# Altium PCB STM32F207VC.PcbDoc (part 16 of 16)
Units mm, origin at the board's own origin, x right, y up, seen from the top; angles counter-clockwise.
Board outline 99.19 x 99.95 mm, 2 copper layers (Top Layer, Bottom Layer); 127 components, 125 nets, 570 pads, 172 vias.
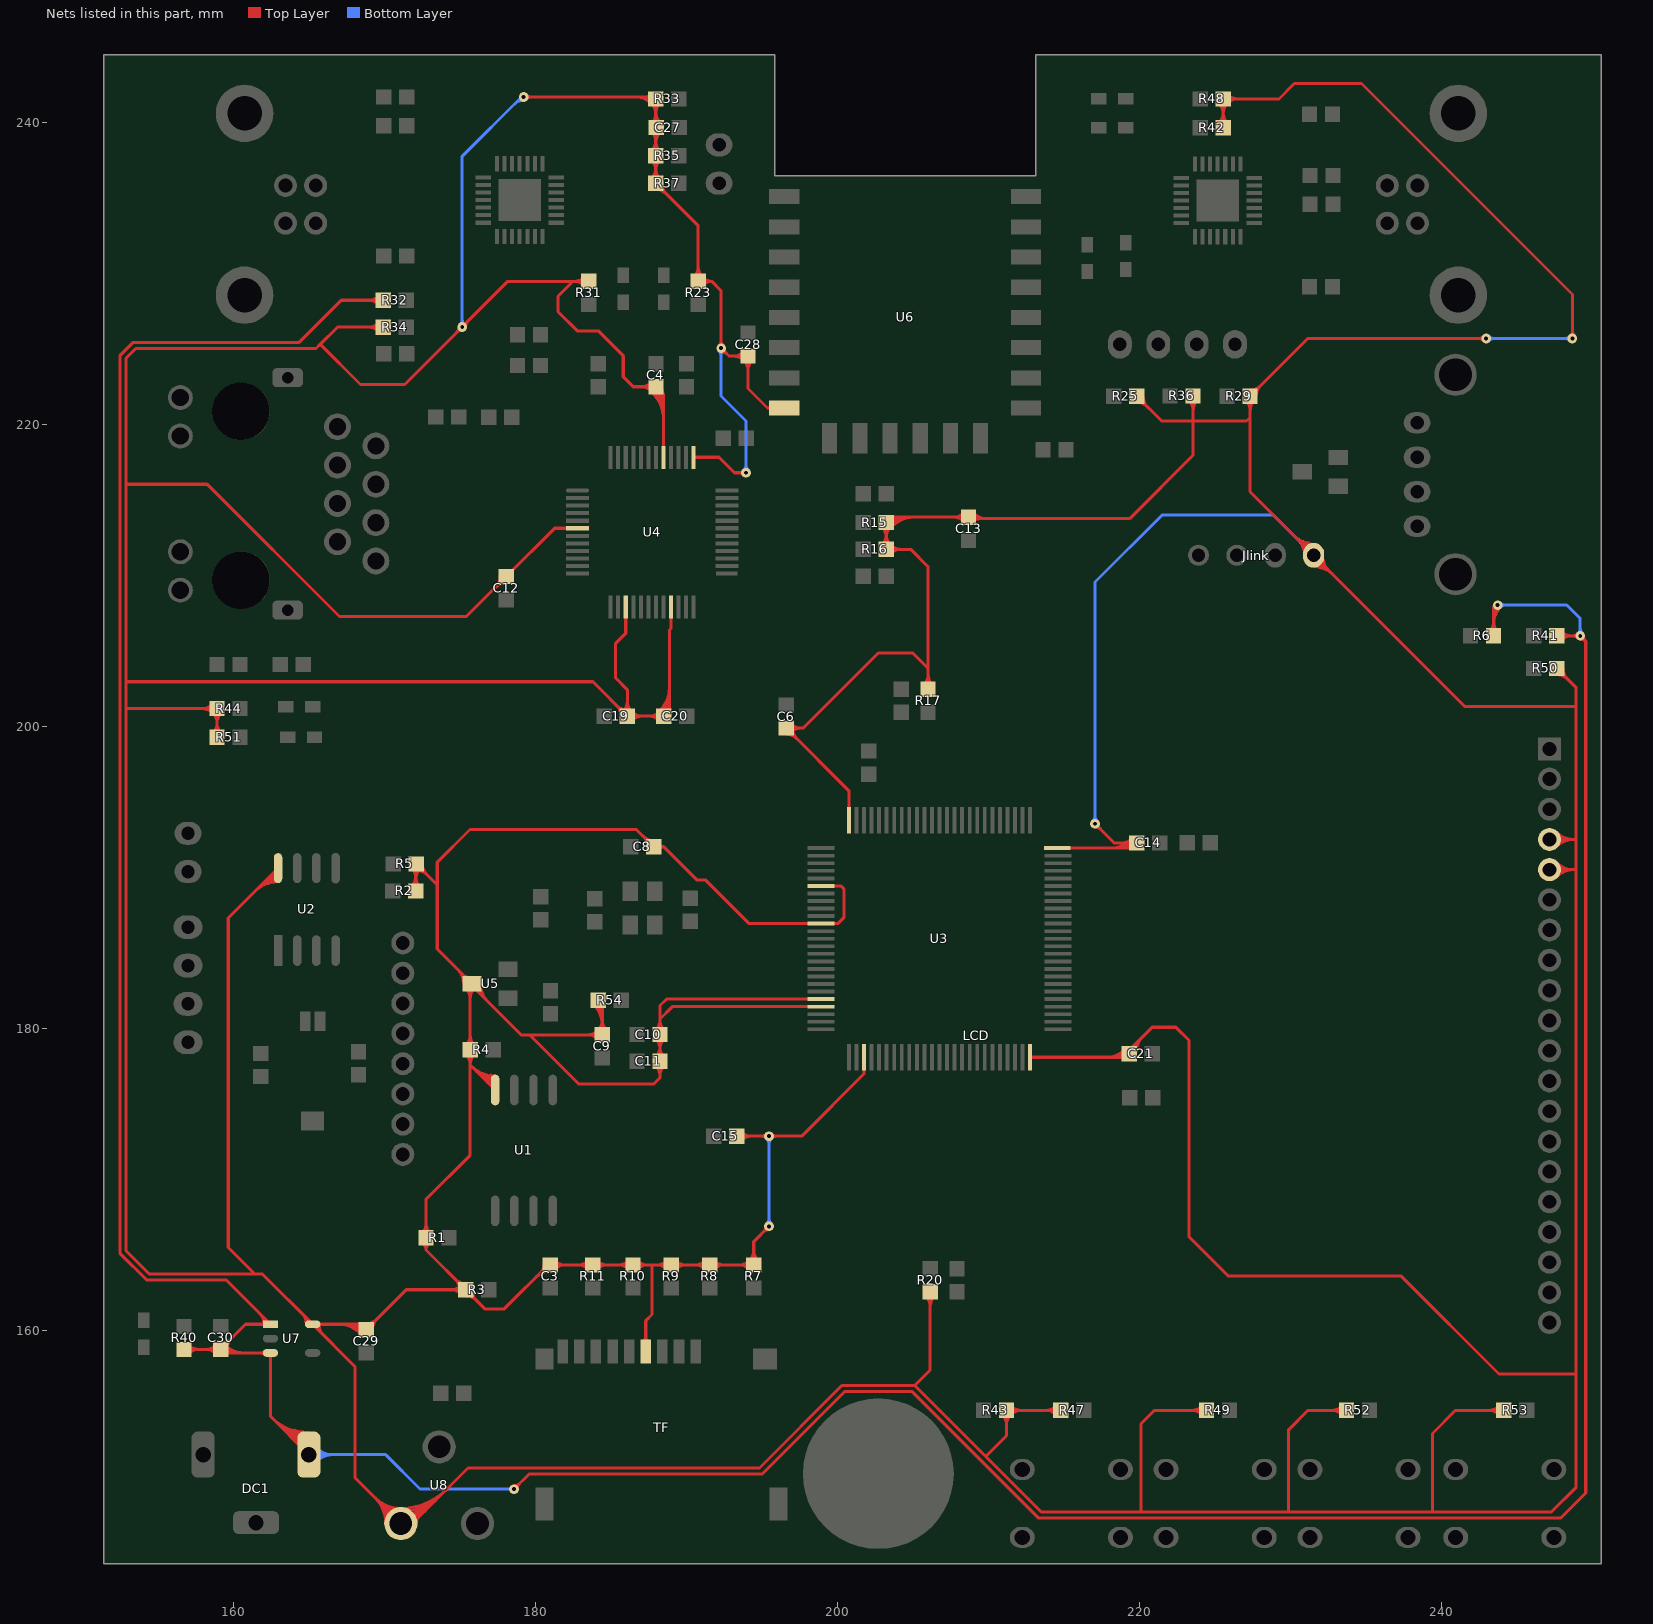
[diagram p16: the nets of this part, all layers, seen from the top]

## Via types
v1: diameter 0.635, hole 0.254, Top Layer to Bottom Layer, tented both sides, 152 vias
v2: diameter 0.635, hole 0.406, Top Layer to Bottom Layer, 18 vias
v3: diameter 1, hole 1, Top Layer to Bottom Layer, 2 vias

## Nets (pads, with @x,y where several pads share a name; then routed paths per layer and width w, separated by ;. In a path a pad name is that pad's centre, name@x,y a point inside that pad or via, vN(x,y) a via of type N, cw(c..) or ccw(c..) an arc to the next point about the centre after c; other vN are vias at no path point) (continued)
VCC3.3: (continued)
  Top Layer w0.203: R29.2@227.313,221.863 cw(c228.008,221.721) 227.825,222.407 ; R29.2@227.313,221.863 ccw(c227.17,222.559) 227.856,222.375 ; R29.2@227.313,221.863 ccw(c227.17,222.559) 227.856,222.375 ; R29.2@227.313,221.863 cw(c228.008,221.721) 227.825,222.407 ; R29.2@227.313,221.863 ccw(c227.17,222.559) 227.856,222.375 ; R29.2@227.313,221.863 ccw(c227.17,222.559) 227.856,222.375 ; R29.2@227.313,221.863 ccw(c227.17,222.559) 227.856,222.375 ; R29.2@227.313,221.863 ccw(c227.17,222.559) 227.856,222.375 ; R29.2@227.313,221.863 cw(c228.008,221.721) 227.825,222.407 ; R29.2@227.313,221.863 cw(c228.008,221.721) 227.825,222.407 ; R29.2@227.313,221.863 cw(c228.008,221.721) 227.825,222.407 ; R29.2@227.313,222.269 ccw(c227.313,223.251) 228.006,222.557 ; R29.2@227.313,222.269 ccw(c227.313,223.251) 228.006,222.557 ; R29.2@227.313,222.269 ccw(c227.313,223.251) 228.006,222.557 ; R29.2@227.313,222.269 ccw(c227.313,223.251) 228.006,222.557 ; R29.2@227.719,221.863 cw(c228.7,221.863) 228.006,222.557 ; R29.2@227.719,221.863 cw(c228.7,221.863) 228.006,222.557 ; R29.2@227.719,221.863 cw(c228.7,221.863) 228.006,222.557 ; R29.2@227.719,221.863 cw(c228.7,221.863) 228.006,222.557 ; 229.87,147.955 239.395,147.955 ; 230.285,212.564 ccw(c231.521,213.8) Jlink.1@231.521,212.052 ; 230.285,212.564 ccw(c231.521,213.8) Jlink.1@231.521,212.052 ; 230.285,212.564 ccw(c231.521,213.8) Jlink.1@231.521,212.052 ; 230.285,212.564 ccw(c231.521,213.8) Jlink.1@231.521,212.052 ; 230.592,212.257 cw(c229.79,211.455) Jlink.1@230.924,211.455 ; 230.592,212.257 cw(c229.79,211.455) Jlink.1@230.924,211.455 ; 230.592,212.257 cw(c229.79,211.455) Jlink.1@230.924,211.455 ; 230.592,212.257 cw(c229.79,211.455) Jlink.1@230.924,211.455 ; 230.632,212.217 ccw(c231.521,213.106) Jlink.1@231.521,211.849 ; 230.632,212.217 ccw(c231.521,213.106) Jlink.1@231.521,211.849 ; 230.632,212.217 ccw(c231.521,213.106) Jlink.1@231.521,211.849 ; 230.632,212.217 ccw(c231.521,213.106) Jlink.1@231.521,211.849 ; 230.715,212.268 cw(c230.415,211.146) Jlink.1@231.533,211.458 ; 230.715,212.268 cw(c230.415,211.146) Jlink.1@231.533,211.458 ; 230.715,212.268 cw(c230.415,211.146) Jlink.1@231.533,211.458 ; 230.715,212.268 cw(c230.415,211.146) Jlink.1@231.533,211.458 ; 230.715,212.268 cw(c230.415,211.146) Jlink.1@231.533,211.458 ; 230.748,212.114 ccw(c231.631,212.35) Jlink.1@231.519,211.442 ; 230.748,212.114 ccw(c231.631,212.35) Jlink.1@231.519,211.442 ; 230.748,212.114 ccw(c231.631,212.35) Jlink.1@231.519,211.442 ; 230.748,212.114 ccw(c231.631,212.35) Jlink.1@231.519,211.442 ; 230.748,212.114 ccw(c231.631,212.35) Jlink.1@231.519,211.442 ; 230.823,212.036 cw(c230.645,211.369) Jlink.1@231.331,211.436 ; 230.823,212.036 cw(c230.645,211.369) Jlink.1@231.331,211.436 ; 230.823,212.036 cw(c230.645,211.369) Jlink.1@231.331,211.436 ; 230.823,212.036 cw(c230.645,211.369) Jlink.1@231.331,211.436 ; 230.823,212.036 cw(c230.645,211.369) Jlink.1@231.331,211.436 ; 230.823,212.036 cw(c230.645,211.369) Jlink.1@231.331,211.436 ; 230.826,211.822 ccw(c231.591,212.028) Jlink.1@231.495,211.241 ; 230.826,211.822 ccw(c231.591,212.028) Jlink.1@231.495,211.241 ; 230.826,211.822 ccw(c231.591,212.028) Jlink.1@231.495,211.241 ; 230.826,211.822 ccw(c231.591,212.028) Jlink.1@231.495,211.241 ; 230.826,211.822 ccw(c231.591,212.028) Jlink.1@231.495,211.241 ; 230.939,211.91 cw(c230.483,211.455) Jlink.1@231.127,211.455 ; 230.939,211.91 cw(c230.483,211.455) Jlink.1@231.127,211.455 ; 230.939,211.91 cw(c230.483,211.455) Jlink.1@231.127,211.455 ; 230.939,211.91 cw(c230.483,211.455) Jlink.1@231.127,211.455 ; 231.059,212.176 cw(c230.813,211.257) Jlink.1@231.729,211.513 ; 231.059,212.176 cw(c230.813,211.257) Jlink.1@231.729,211.513 ; 231.059,212.176 cw(c230.813,211.257) Jlink.1@231.729,211.513 ; 231.059,212.176 cw(c230.813,211.257) Jlink.1@231.729,211.513 ; 231.059,212.176 cw(c230.813,211.257) Jlink.1@231.729,211.513 ; Jlink.1@231.313,211.143 ccw(c232.229,211.399) 231.983,210.48 ; Jlink.1@231.313,211.143 ccw(c232.229,211.399) 231.983,210.48 ; Jlink.1@231.313,211.143 ccw(c232.229,211.399) 231.983,210.48 ; Jlink.1@231.313,211.143 ccw(c232.229,211.399) 231.983,210.48 ; Jlink.1@231.313,211.143 ccw(c232.229,211.399) 231.983,210.48 ; Jlink.1@231.509,211.198 ccw(c232.627,211.51) 232.327,210.388 ; Jlink.1@231.509,211.198 ccw(c232.627,211.51) 232.327,210.388 ; Jlink.1@231.509,211.198 ccw(c232.627,211.51) 232.327,210.388 ; Jlink.1@231.509,211.198 ccw(c232.627,211.51) 232.327,210.388 ; Jlink.1@231.509,211.198 ccw(c232.627,211.51) 232.327,210.388 ; Jlink.1@231.521,210.604 cw(c231.521,208.856) 232.757,210.092 ; Jlink.1@231.521,210.604 cw(c231.521,208.856) 232.757,210.092 ; Jlink.1@231.521,210.604 cw(c231.521,208.856) 232.757,210.092 ; Jlink.1@231.521,210.604 cw(c231.521,208.856) 232.757,210.092 ; Jlink.1@231.521,210.807 cw(c231.521,209.55) 232.41,210.439 ; Jlink.1@231.521,210.807 cw(c231.521,209.55) 232.41,210.439 ; Jlink.1@231.521,210.807 cw(c231.521,209.55) 232.41,210.439 ; Jlink.1@231.521,210.807 cw(c231.521,209.55) 232.41,210.439 ; Jlink.1@231.523,211.214 cw(c231.411,210.306) 232.294,210.542 ; Jlink.1@231.523,211.214 cw(c231.411,210.306) 232.294,210.542 ; Jlink.1@231.523,211.214 cw(c231.411,210.306) 232.294,210.542 ; Jlink.1@231.523,211.214 cw(c231.411,210.306) 232.294,210.542 ; Jlink.1@231.523,211.214 cw(c231.411,210.306) 232.294,210.542 ; Jlink.1@231.547,211.415 cw(c231.451,210.628) 232.216,210.834 ; Jlink.1@231.547,211.415 cw(c231.451,210.628) 232.216,210.834 ; Jlink.1@231.547,211.415 cw(c231.451,210.628) 232.216,210.834 ; Jlink.1@231.547,211.415 cw(c231.451,210.628) 232.216,210.834 ; Jlink.1@231.547,211.415 cw(c231.451,210.628) 232.216,210.834 ; Jlink.1@231.711,211.22 ccw(c232.397,211.287) 232.219,210.62 ; Jlink.1@231.711,211.22 ccw(c232.397,211.287) 232.219,210.62 ; Jlink.1@231.711,211.22 ccw(c232.397,211.287) 232.219,210.62 ; Jlink.1@231.711,211.22 ccw(c232.397,211.287) 232.219,210.62 ; Jlink.1@231.711,211.22 ccw(c232.397,211.287) 232.219,210.62 ; Jlink.1@231.711,211.22 ccw(c232.397,211.287) 232.219,210.62 ; Jlink.1@231.915,211.201 ccw(c232.559,211.201) 232.103,210.746 ; Jlink.1@231.915,211.201 ccw(c232.559,211.201) 232.103,210.746 ; Jlink.1@231.915,211.201 ccw(c232.559,211.201) 232.103,210.746 ; Jlink.1@231.915,211.201 ccw(c232.559,211.201) 232.103,210.746 ; Jlink.1@232.118,211.201 ccw(c233.252,211.201) 232.45,210.399 ; Jlink.1@232.118,211.201 ccw(c233.252,211.201) 232.45,210.399 ; Jlink.1@232.118,211.201 ccw(c233.252,211.201) 232.45,210.399 ; Jlink.1@232.118,211.201 ccw(c233.252,211.201) 232.45,210.399 ; 232.716,154.692 cw(c232.716,153.711) R52.2@233.41,154.405 ; 232.716,154.692 ccw(c232.716,155.673) R52.2@233.41,154.979 ; 232.716,154.692 cw(c232.716,153.711) R52.2@233.41,154.405 ; 232.716,154.692 ccw(c232.716,155.673) R52.2@233.41,154.979 ; 232.716,154.692 ccw(c232.716,155.673) R52.2@233.41,154.979 ; 232.716,154.692 cw(c232.716,153.711) R52.2@233.41,154.405 ; 232.716,154.692 ccw(c232.716,155.673) R52.2@233.41,154.979 ; 232.716,154.692 cw(c232.716,153.711) R52.2@233.41,154.405 ; 239.395,147.955 247.262,147.955 248.913,149.606 248.913,157.099 ; 242.43,225.679 cw(c242.43,225.158) v1@242.798,225.526 ; 242.43,225.679 ccw(c242.43,226.2) v1@242.798,225.832 ; 242.43,225.679 cw(c242.43,225.158) v1@242.798,225.526 ; 242.43,225.679 ccw(c242.43,226.2) v1@242.798,225.832 ; 242.43,225.679 ccw(c242.43,226.2) v1@242.798,225.832 ; 242.43,225.679 cw(c242.43,225.158) v1@242.798,225.526 ; 242.43,225.679 ccw(c242.43,226.2) v1@242.798,225.832 ; 242.43,225.679 cw(c242.43,225.158) v1@242.798,225.526 ; 243.13,154.692 cw(c243.13,153.711) R53.2@243.824,154.405 ; 243.13,154.692 ccw(c243.13,155.673) R53.2@243.824,154.979 ; 243.13,154.692 cw(c243.13,153.711) R53.2@243.824,154.405 ; 243.13,154.692 ccw(c243.13,155.673) R53.2@243.824,154.979 ; 243.13,154.692 ccw(c243.13,155.673) R53.2@243.824,154.979 ; 243.13,154.692 cw(c243.13,153.711) R53.2@243.824,154.405 ; 243.13,154.692 ccw(c243.13,155.673) R53.2@243.824,154.979 ; 243.13,154.692 cw(c243.13,153.711) R53.2@243.824,154.405 ; LCD.5@247.47,190.179 cw(c248.251,189.399) 248.251,190.503 ; LCD.5@247.47,190.179 cw(c248.251,189.399) 248.251,190.503 ; LCD.5@247.47,190.179 cw(c248.251,189.399) 248.251,190.503 ; LCD.5@247.47,190.179 cw(c248.251,189.399) 248.251,190.503 ; LCD.5@247.47,190.826 ccw(c248.251,191.606) 248.251,190.503 ; LCD.5@247.47,190.826 ccw(c248.251,191.606) 248.251,190.503 ; LCD.5@247.47,190.826 ccw(c248.251,191.606) 248.251,190.503 ; LCD.5@247.47,190.826 ccw(c248.251,191.606) 248.251,190.503 ; LCD.4@247.47,192.181 cw(c248.251,191.4) 248.251,192.504 ; LCD.4@247.47,192.181 cw(c248.251,191.4) 248.251,192.504 ; LCD.4@247.47,192.181 cw(c248.251,191.4) 248.251,192.504 ; LCD.4@247.47,192.181 cw(c248.251,191.4) 248.251,192.504 ; LCD.4@247.47,192.827 ccw(c248.251,193.608) 248.251,192.504 ; LCD.4@247.47,192.827 ccw(c248.251,193.608) 248.251,192.504 ; LCD.4@247.47,192.827 ccw(c248.251,193.608) 248.251,192.504 ; LCD.4@247.47,192.827 ccw(c248.251,193.608) 248.251,192.504 ; LCD.5@247.614,190.036 cw(c248.741,188.908) 248.741,190.503 ; LCD.5@247.614,190.036 cw(c248.741,188.908) 248.741,190.503 ; LCD.5@247.614,190.036 cw(c248.741,188.908) 248.741,190.503 ; LCD.5@247.614,190.036 cw(c248.741,188.908) 248.741,190.503 ; LCD.5@247.614,190.97 ccw(c248.741,192.097) 248.741,190.503 ; LCD.5@247.614,190.97 ccw(c248.741,192.097) 248.741,190.503 ; LCD.5@247.614,190.97 ccw(c248.741,192.097) 248.741,190.503 ; LCD.5@247.614,190.97 ccw(c248.741,192.097) 248.741,190.503 ; LCD.4@247.614,192.037 cw(c248.741,190.91) 248.741,192.504 ; LCD.4@247.614,192.037 cw(c248.741,190.91) 248.741,192.504 ; LCD.4@247.614,192.037 cw(c248.741,190.91) 248.741,192.504 ; LCD.4@247.614,192.037 cw(c248.741,190.91) 248.741,192.504 ; LCD.4@247.614,192.971 ccw(c248.741,194.098) 248.741,192.504 ; LCD.4@247.614,192.971 ccw(c248.741,194.098) 248.741,192.504 ; LCD.4@247.614,192.971 ccw(c248.741,194.098) 248.741,192.504 ; LCD.4@247.614,192.971 ccw(c248.741,194.098) 248.741,192.504 ; R50.2@247.633,203.423 cw(c247.633,202.442) 248.326,203.135 ; R50.2@247.633,203.423 cw(c247.633,202.442) 248.326,203.135 ; R50.2@247.633,203.423 cw(c247.633,202.442) 248.326,203.135 ; R50.2@247.633,203.423 cw(c247.633,202.442) 248.326,203.135 ; R50.2@247.633,203.829 ccw(c248.328,203.972) 248.145,203.285 ; R50.2@247.633,203.829 ccw(c248.328,203.972) 248.145,203.285 ; R50.2@247.633,203.829 cw(c247.49,203.133) 248.176,203.317 ; R50.2@247.633,203.829 cw(c247.49,203.133) 248.176,203.317 ; R50.2@247.633,203.829 ccw(c248.328,203.972) 248.145,203.285 ; R50.2@247.633,203.829 cw(c247.49,203.133) 248.176,203.317 ; R50.2@247.633,203.829 cw(c247.49,203.133) 248.176,203.317 ; R50.2@247.633,203.829 cw(c247.49,203.133) 248.176,203.317 ; R50.2@247.633,203.829 cw(c247.49,203.133) 248.176,203.317 ; R50.2@247.633,203.829 ccw(c248.328,203.972) 248.145,203.285 ; R50.2@247.633,203.829 ccw(c248.328,203.972) 248.145,203.285 ; R50.2@247.633,203.829 ccw(c248.328,203.972) 248.145,203.285 ; R50.2@247.633,203.829 248.913,202.548 248.913,201.295 ; R50.2@248.039,203.829 ccw(c249.02,203.829) 248.326,203.135 ; R50.2@248.039,203.829 ccw(c249.02,203.829) 248.326,203.135 ; R50.2@248.039,203.829 ccw(c249.02,203.829) 248.326,203.135 ; R50.2@248.039,203.829 ccw(c249.02,203.829) 248.326,203.135 ; v1@248.513,225.832 ccw(c248.145,226.2) 248.666,226.2 ; v1@248.513,225.832 ccw(c248.145,226.2) 248.666,226.2 ; v1@248.513,225.832 ccw(c248.145,226.2) 248.666,226.2 ; v1@248.513,225.832 ccw(c248.145,226.2) 248.666,226.2 ; 248.666,226.2 ccw(c249.187,226.2) v1@248.819,225.832 ; 248.666,226.2 ccw(c249.187,226.2) v1@248.819,225.832 ; 248.666,226.2 ccw(c249.187,226.2) v1@248.819,225.832 ; 248.666,226.2 ccw(c249.187,226.2) v1@248.819,225.832 ; 248.913,157.099 248.913,201.295 ; 162.408,189.648 cw(c162.703,189.32) 162.87,189.729 ccw(c162.703,189.32) 162.408,189.648 ; 162.649,189.865 cw(c162.839,189.653) 162.947,189.917 ccw(c162.839,189.653) 162.649,189.865 ; 176.787,176.887 ccw(c177.078,177.214) 177.247,176.81 cw(c177.078,177.214) 176.787,176.887 ; 177.028,176.672 ccw(c177.216,176.884) 177.326,176.622 cw(c177.216,176.884) 177.028,176.672
  Bottom Layer w0.203: v1(175.133,226.441) 175.133,237.744 179.064,241.675 v1(179.203,241.675) ; v1(192.278,225.044) 192.278,221.869 193.929,220.218 v1(193.929,216.789) ; v1(195.453,166.878) v1(195.453,172.853) ; v1(217.043,193.548) 217.043,209.55 221.488,213.995 228.854,213.995 Jlink.1@231.521,211.328 ; v1(242.951,225.679) v1(248.666,225.679) ; v1@174.98,226.594 ccw(c174.612,226.962) 175.133,226.962 ; v1@174.98,226.594 ccw(c174.612,226.962) 175.133,226.962 ; v1@174.98,226.594 ccw(c174.612,226.962) 175.133,226.962 ; v1@174.98,226.594 ccw(c174.612,226.962) 175.133,226.962 ; 175.133,226.962 ccw(c175.654,226.962) v1@175.286,226.594 ; 175.133,226.962 ccw(c175.654,226.962) v1@175.286,226.594 ; 175.133,226.962 ccw(c175.654,226.962) v1@175.286,226.594 ; 175.133,226.962 ccw(c175.654,226.962) v1@175.286,226.594 ; 178.597,241.208 cw(c179.203,240.603) v1@179.203,241.459 ; 178.597,241.208 cw(c179.203,240.603) v1@179.203,241.459 ; 178.597,241.208 cw(c179.203,240.603) v1@179.203,241.459 ; 178.597,241.208 cw(c179.203,240.603) v1@179.203,241.459 ; v1@192.125,224.891 cw(c191.757,224.523) 192.278,224.523 ; v1@192.125,224.891 cw(c191.757,224.523) 192.278,224.523 ; v1@192.125,224.891 cw(c191.757,224.523) 192.278,224.523 ; v1@192.125,224.891 cw(c191.757,224.523) 192.278,224.523 ; 192.278,224.523 cw(c192.799,224.523) v1@192.431,224.891 ; 192.278,224.523 cw(c192.799,224.523) v1@192.431,224.891 ; 192.278,224.523 cw(c192.799,224.523) v1@192.431,224.891 ; 192.278,224.523 cw(c192.799,224.523) v1@192.431,224.891 ; v1@193.776,216.942 ccw(c193.408,217.31) 193.929,217.31 ; v1@193.776,216.942 ccw(c193.408,217.31) 193.929,217.31 ; v1@193.776,216.942 ccw(c193.408,217.31) 193.929,217.31 ; v1@193.776,216.942 ccw(c193.408,217.31) 193.929,217.31 ; 193.929,217.31 ccw(c194.45,217.31) v1@194.082,216.942 ; 193.929,217.31 ccw(c194.45,217.31) v1@194.082,216.942 ; 193.929,217.31 ccw(c194.45,217.31) v1@194.082,216.942 ; 193.929,217.31 ccw(c194.45,217.31) v1@194.082,216.942 ; v1@195.3,167.031 ccw(c194.932,167.399) 195.453,167.399 ; v1@195.3,167.031 ccw(c194.932,167.399) 195.453,167.399 ; v1@195.3,167.031 ccw(c194.932,167.399) 195.453,167.399 ; v1@195.3,167.031 ccw(c194.932,167.399) 195.453,167.399 ; v1@195.3,172.7 cw(c194.932,172.332) 195.453,172.332 ; v1@195.3,172.7 cw(c194.932,172.332) 195.453,172.332 ; v1@195.3,172.7 cw(c194.932,172.332) 195.453,172.332 ; v1@195.3,172.7 cw(c194.932,172.332) 195.453,172.332 ; 195.453,167.399 ccw(c195.974,167.399) v1@195.606,167.031 ; 195.453,167.399 ccw(c195.974,167.399) v1@195.606,167.031 ; 195.453,167.399 ccw(c195.974,167.399) v1@195.606,167.031 ; 195.453,167.399 ccw(c195.974,167.399) v1@195.606,167.031 ; 195.453,172.332 cw(c195.974,172.332) v1@195.606,172.7 ; 195.453,172.332 cw(c195.974,172.332) v1@195.606,172.7 ; 195.453,172.332 cw(c195.974,172.332) v1@195.606,172.7 ; 195.453,172.332 cw(c195.974,172.332) v1@195.606,172.7 ; v1@216.89,193.701 ccw(c216.522,194.069) 217.043,194.069 ; v1@216.89,193.701 ccw(c216.522,194.069) 217.043,194.069 ; v1@216.89,193.701 ccw(c216.522,194.069) 217.043,194.069 ; v1@216.89,193.701 ccw(c216.522,194.069) 217.043,194.069 ; 217.043,194.069 ccw(c217.564,194.069) v1@217.196,193.701 ; 217.043,194.069 ccw(c217.564,194.069) v1@217.196,193.701 ; 217.043,194.069 ccw(c217.564,194.069) v1@217.196,193.701 ; 217.043,194.069 ccw(c217.564,194.069) v1@217.196,193.701 ; 230.285,212.564 ccw(c231.521,213.8) Jlink.1@231.521,212.052 ; 230.285,212.564 ccw(c231.521,213.8) Jlink.1@231.521,212.052 ; 230.285,212.564 ccw(c231.521,213.8) Jlink.1@231.521,212.052 ; 230.285,212.564 ccw(c231.521,213.8) Jlink.1@231.521,212.052 ; 230.592,212.257 cw(c229.79,211.455) Jlink.1@230.924,211.455 ; 230.592,212.257 cw(c229.79,211.455) Jlink.1@230.924,211.455 ; 230.592,212.257 cw(c229.79,211.455) Jlink.1@230.924,211.455 ; 230.592,212.257 cw(c229.79,211.455) Jlink.1@230.924,211.455 ; 230.632,212.217 ccw(c231.521,213.106) Jlink.1@231.521,211.849 ; 230.632,212.217 ccw(c231.521,213.106) Jlink.1@231.521,211.849 ; 230.632,212.217 ccw(c231.521,213.106) Jlink.1@231.521,211.849 ; 230.632,212.217 ccw(c231.521,213.106) Jlink.1@231.521,211.849 ; 230.939,211.91 cw(c230.483,211.455) Jlink.1@231.127,211.455 ; 230.939,211.91 cw(c230.483,211.455) Jlink.1@231.127,211.455 ; 230.939,211.91 cw(c230.483,211.455) Jlink.1@231.127,211.455 ; 230.939,211.91 cw(c230.483,211.455) Jlink.1@231.127,211.455 ; v1@243.104,225.526 cw(c243.472,225.158) 243.472,225.679 ; v1@243.104,225.526 cw(c243.472,225.158) 243.472,225.679 ; v1@243.104,225.526 cw(c243.472,225.158) 243.472,225.679 ; v1@243.104,225.526 cw(c243.472,225.158) 243.472,225.679 ; v1@243.104,225.832 ccw(c243.472,226.2) 243.472,225.679 ; v1@243.104,225.832 ccw(c243.472,226.2) 243.472,225.679 ; v1@243.104,225.832 ccw(c243.472,226.2) 243.472,225.679 ; v1@243.104,225.832 ccw(c243.472,226.2) 243.472,225.679 ; 248.145,225.679 cw(c248.145,225.158) v1@248.513,225.526 ; 248.145,225.679 ccw(c248.145,226.2) v1@248.513,225.832 ; 248.145,225.679 cw(c248.145,225.158) v1@248.513,225.526 ; 248.145,225.679 ccw(c248.145,226.2) v1@248.513,225.832 ; 248.145,225.679 ccw(c248.145,226.2) v1@248.513,225.832 ; 248.145,225.679 cw(c248.145,225.158) v1@248.513,225.526 ; 248.145,225.679 ccw(c248.145,226.2) v1@248.513,225.832 ; 248.145,225.679 cw(c248.145,225.158) v1@248.513,225.526
VCC5V: C30.1 DC1.1 R6.2 R32.1 R40.2 R41.2 U7.1 U7.3 | length 505.4
  Top Layer w0.203: R40.2@156.712,158.725 C30.1@159.137,158.725 ; DC1.1@164.977,151.758 162.433,154.303 U7.3@162.433,158.494 159.368,158.494 C30.1@159.137,158.725 ; R32.1@169.909,228.213 167.126,228.213 164.338,225.425 153.347,225.425 152.458,224.536 152.458,165.1 154.236,163.322 159.505,163.322 U7.1@162.433,160.394 160.775,160.394 159.137,158.756 C30.1@159.137,158.725 ; v1@178.559,149.491 ccw(c178.482,149.871) 178.856,149.771 ; v1(178.562,149.479) 179.553,150.47 194.986,150.47 200.447,155.931 204.937,155.931 213.319,147.549 247.879,147.549 249.548,149.218 249.548,205.62 ; v1@178.574,149.476 cw(c178.954,149.399) 178.854,149.773 ; R6.2@243.442,205.988 243.442,207.755 ; v1(243.713,208.026) 243.442,207.755 ; R41.2@247.633,205.988 v1(249.18,205.988) 249.548,205.62 ; R40.2@156.999,158.437 cw(c157.693,157.743) 157.693,158.725 ; R40.2@156.999,158.437 cw(c157.693,157.743) 157.693,158.725 ; R40.2@156.999,158.437 cw(c157.693,157.743) 157.693,158.725 ; R40.2@156.999,158.437 cw(c157.693,157.743) 157.693,158.725 ; R40.2@156.999,159.012 ccw(c157.693,159.706) 157.693,158.725 ; R40.2@156.999,159.012 ccw(c157.693,159.706) 157.693,158.725 ; R40.2@156.999,159.012 ccw(c157.693,159.706) 157.693,158.725 ; R40.2@156.999,159.012 ccw(c157.693,159.706) 157.693,158.725 ; 158.156,158.725 cw(c158.156,157.743) C30.1@158.85,158.437 ; 158.156,158.725 ccw(c158.156,159.706) C30.1@158.85,159.012 ; 158.156,158.725 cw(c158.156,157.743) C30.1@158.85,158.437 ; 158.156,158.725 ccw(c158.156,159.706) C30.1@158.85,159.012 ; 158.156,158.725 ccw(c158.156,159.706) C30.1@158.85,159.012 ; 158.156,158.725 cw(c158.156,157.743) C30.1@158.85,158.437 ; 158.156,158.725 ccw(c158.156,159.706) C30.1@158.85,159.012 ; 158.156,158.725 cw(c158.156,157.743) C30.1@158.85,158.437 ; C30.1@159.137,158.725 ccw(c159.694,159.282) 159.694,158.494 ; C30.1@159.137,158.725 cw(c159.806,158.607) 159.63,159.263 ; C30.1@159.137,158.725 ccw(c158.969,159.447) 159.686,159.255 ; C30.1@159.137,158.725 ccw(c158.969,159.447) 159.686,159.255 ; C30.1@159.137,158.725 cw(c159.806,158.607) 159.63,159.263 ; C30.1@159.137,158.725 ccw(c159.694,159.282) 159.694,158.494 ; C30.1@159.137,158.725 ccw(c158.969,159.447) 159.686,159.255 ; C30.1@159.137,158.725 cw(c159.806,158.607) 159.63,159.263 ; C30.1@159.137,158.725 ccw(c159.694,159.282) 159.694,158.494 ; C30.1@159.137,158.725 cw(c159.806,158.607) 159.63,159.263 ; C30.1@159.137,158.725 ccw(c158.969,159.447) 159.686,159.255 ; C30.1@159.137,158.725 cw(c159.806,158.607) 159.63,159.263 ; C30.1@159.137,158.725 ccw(c158.969,159.447) 159.686,159.255 ; C30.1@159.137,158.725 ccw(c158.969,159.447) 159.686,159.255 ; C30.1@159.137,158.725 cw(c159.806,158.607) 159.63,159.263 ; C30.1@159.137,158.725 ccw(c159.694,159.282) 159.694,158.494 ; C30.1@159.137,159.131 ccw(c159.137,160.036) 159.777,159.396 ; C30.1@159.137,159.131 ccw(c159.137,160.036) 159.777,159.396 ; C30.1@159.137,159.131 ccw(c159.137,160.036) 159.777,159.396 ; C30.1@159.137,159.131 ccw(c159.137,160.036) 159.777,159.396 ; C30.1@159.281,158.868 ccw(c160.185,159.772) 160.185,158.494 ; C30.1@159.281,158.868 ccw(c160.185,159.772) 160.185,158.494 ; C30.1@159.281,158.868 ccw(c160.185,159.772) 160.185,158.494 ; C30.1@159.281,158.868 ccw(c160.185,159.772) 160.185,158.494 ; C30.1@159.34,158.725 cw(c159.906,158.725) C30.1@159.506,159.125 ; C30.1@159.34,158.725 cw(c159.906,158.725) C30.1@159.506,159.125 ; C30.1@159.34,158.725 cw(c159.906,158.725) C30.1@159.506,159.125 ; C30.1@159.34,158.725 cw(c159.906,158.725) C30.1@159.506,159.125 ; C30.1@159.424,159.012 ccw(c160.675,160.263) 160.675,158.494 ; C30.1@159.424,159.012 ccw(c160.675,160.263) 160.675,158.494 ; C30.1@159.424,159.012 ccw(c160.675,160.263) 160.675,158.494 ; C30.1@159.424,159.012 ccw(c160.675,160.263) 160.675,158.494 ; C30.1@159.529,158.83 ccw(c159.83,158.91) 159.674,158.641 ; C30.1@159.529,158.83 ccw(c159.83,158.91) 159.674,158.641 ; C30.1@159.529,158.83 ccw(c159.83,158.91) 159.674,158.641 ; C30.1@159.529,158.83 ccw(c159.83,158.91) 159.674,158.641 ; C30.1@159.529,158.83 ccw(c159.83,158.91) 159.674,158.641 ; C30.1@159.529,158.83 ccw(c159.83,158.91) 159.674,158.641 ; C30.1@159.543,158.725 cw(c160.6,158.725) 159.853,159.472 ; C30.1@159.543,158.725 cw(c160.6,158.725) 159.853,159.472 ; C30.1@159.543,158.725 cw(c160.6,158.725) 159.853,159.472 ; C30.1@159.543,158.725 cw(c160.6,158.725) 159.853,159.472 ; 161.739,161.088 cw(c161.045,160.394) U7.1@162.027,160.394 ; 161.739,161.088 cw(c161.045,160.394) U7.1@162.027,160.394 ; 161.739,161.088 cw(c161.045,160.394) U7.1@162.027,160.394 ; 161.739,161.088 cw(c161.045,160.394) U7.1@162.027,160.394 ; 161.811,158.494 cw(c161.811,158.126) U7.3@162.071,158.386 ; 161.811,158.494 ccw(c161.811,158.862) U7.3@162.071,158.602 ; 161.811,158.494 cw(c161.811,158.126) U7.3@162.071,158.386 ; 161.811,158.494 ccw(c161.811,158.862) U7.3@162.071,158.602 ; 161.811,158.494 ccw(c161.811,158.862) U7.3@162.071,158.602 ; 161.811,158.494 cw(c161.811,158.126) U7.3@162.071,158.386 ; 161.811,158.494 ccw(c161.811,158.862) U7.3@162.071,158.602 ; 161.811,158.494 cw(c161.811,158.126) U7.3@162.071,158.386 ; 161.811,160.394 cw(c161.811,160.026) U7.1@162.071,160.286 ; 161.811,160.394 ccw(c161.811,160.762) U7.1@162.071,160.502 ; 161.811,160.394 cw(c161.811,160.026) U7.1@162.071,160.286 ; 161.811,160.394 ccw(c161.811,160.762) U7.1@162.071,160.502 ; 161.811,160.394 ccw(c161.811,160.762) U7.1@162.071,160.502 ; 161.811,160.394 cw(c161.811,160.026) U7.1@162.071,160.286 ; 161.811,160.394 ccw(c161.811,160.762) U7.1@162.071,160.502 ; 161.811,160.394 cw(c161.811,160.026) U7.1@162.071,160.286 ; U7.1@161.977,160.58 ccw(c162.344,160.679) U7.1@162.154,160.35 ; U7.1@161.977,160.58 ccw(c162.344,160.679) U7.1@162.154,160.35 ; U7.1@161.977,160.58 ccw(c162.344,160.679) U7.1@162.154,160.35 ; U7.1@161.977,160.58 ccw(c162.344,160.679) U7.1@162.154,160.35 ; U7.1@161.977,160.58 ccw(c162.344,160.679) U7.1@162.154,160.35 ; U7.1@161.977,160.58 ccw(c162.344,160.679) U7.1@162.154,160.35 ; 162.086,160.741 cw(c161.739,160.394) U7.1@162.23,160.394 ; 162.086,160.741 cw(c161.739,160.394) U7.1@162.23,160.394 ; 162.086,160.741 cw(c161.739,160.394) U7.1@162.23,160.394 ; 162.086,160.741 cw(c161.739,160.394) U7.1@162.23,160.394 ; U7.3@162.325,158.386 cw(c162.065,158.126) 162.433,158.126 ; U7.3@162.325,158.386 cw(c162.065,158.126) 162.433,158.126 ; U7.3@162.325,158.386 cw(c162.065,158.126) 162.433,158.126 ; U7.3@162.325,158.386 cw(c162.065,158.126) 162.433,158.126 ; 162.433,158.126 cw(c162.801,158.126) U7.3@162.541,158.386 ; 162.433,158.126 cw(c162.801,158.126) U7.3@162.541,158.386 ; 162.433,158.126 cw(c162.801,158.126) U7.3@162.541,158.386 ; 162.433,158.126 cw(c162.801,158.126) U7.3@162.541,158.386 ; 162.549,154.187 ccw(c164.977,156.615) DC1.1@164.977,153.181 ; 162.549,154.187 ccw(c164.977,156.615) DC1.1@164.977,153.181 ; 162.549,154.187 ccw(c164.977,156.615) DC1.1@164.977,153.181 ; 162.549,154.187 ccw(c164.977,156.615) DC1.1@164.977,153.181 ; 162.896,153.84 ccw(c164.977,155.921) DC1.1@164.977,152.978 ; 162.896,153.84 ccw(c164.977,155.921) DC1.1@164.977,152.978 ; 162.896,153.84 ccw(c164.977,155.921) DC1.1@164.977,152.978 ; 162.896,153.84 ccw(c164.977,155.921) DC1.1@164.977,152.978 ; 163.243,153.493 ccw(c164.977,155.227) DC1.1@164.977,152.774 ; 163.243,153.493 ccw(c164.977,155.227) DC1.1@164.977,152.774 ; 163.243,153.493 ccw(c164.977,155.227) DC1.1@164.977,152.774 ; 163.243,153.493 ccw(c164.977,155.227) DC1.1@164.977,152.774 ; 163.59,153.146 ccw(c164.977,154.534) DC1.1@164.977,152.571 ; 163.59,153.146 ccw(c164.977,154.534) DC1.1@164.977,152.571 ; 163.59,153.146 ccw(c164.977,154.534) DC1.1@164.977,152.571 ; 163.59,153.146 ccw(c164.977,154.534) DC1.1@164.977,152.571 ; 163.634,153.301 cw(c163.24,151.667) DC1.1@164.749,152.408 ; 163.634,153.301 cw(c163.24,151.667) DC1.1@164.749,152.408 ; 163.634,153.301 cw(c163.24,151.667) DC1.1@164.749,152.408 ; 163.634,153.301 cw(c163.24,151.667) DC1.1@164.749,152.408 ; 163.634,153.301 cw(c163.24,151.667) DC1.1@164.749,152.408 ; 163.634,153.301 cw(c163.24,151.667) DC1.1@164.749,152.408 ; 163.722,153.111 cw(c163.406,151.932) DC1.1@164.549,152.36 ; 163.722,153.111 cw(c163.406,151.932) DC1.1@164.549,152.36 ; 163.722,153.111 cw(c163.406,151.932) DC1.1@164.549,152.36 ; 163.722,153.111 cw(c163.406,151.932) DC1.1@164.549,152.36 ; 163.722,153.111 cw(c163.406,151.932) DC1.1@164.549,152.36 ; 163.722,153.111 cw(c163.406,151.932) DC1.1@164.549,152.36 ; 163.914,152.856 cw(c163.767,152.307) DC1.1@164.327,152.406 ; 163.914,152.856 ccw(c164.085,153.494) DC1.1@164.531,153.007 ; 163.914,152.856 cw(c163.767,152.307) DC1.1@164.327,152.406 ; 163.914,152.856 ccw(c164.085,153.494) DC1.1@164.531,153.007 ; 163.914,152.856 cw(c163.767,152.307) DC1.1@164.327,152.406 ; 163.914,152.856 ccw(c164.085,153.494) DC1.1@164.531,153.007 ; 163.914,152.856 ccw(c164.085,153.494) DC1.1@164.531,153.007 ; 163.914,152.856 cw(c163.767,152.307) DC1.1@164.327,152.406 ; 163.914,152.856 ccw(c164.085,153.494) DC1.1@164.531,153.007 ; 163.914,152.856 cw(c163.767,152.307) DC1.1@164.327,152.406 ; 163.914,152.856 ccw(c164.085,153.494) DC1.1@164.531,153.007 ; 163.914,152.856 cw(c163.767,152.307) DC1.1@164.327,152.406 ; 163.936,152.799 ccw(c164.977,153.84) DC1.1@164.977,152.368 ; 163.936,152.799 ccw(c164.977,153.84) DC1.1@164.977,152.368 ; 163.936,152.799 ccw(c164.977,153.84) DC1.1@164.977,152.368 ; 163.936,152.799 ccw(c164.977,153.84) DC1.1@164.977,152.368 ; 163.986,153.384 cw(c163.641,151.696) DC1.1@165.107,152.6 ; 163.986,153.384 cw(c163.641,151.696) DC1.1@165.107,152.6 ; 163.986,153.384 cw(c163.641,151.696) DC1.1@165.107,152.6 ; 163.986,153.384 cw(c163.641,151.696) DC1.1@165.107,152.6 ; 163.986,153.384 cw(c163.641,151.696) DC1.1@165.107,152.6 ; 164.055,153.2 cw(c163.746,151.915) DC1.1@164.932,152.498 ; 164.055,153.2 cw(c163.746,151.915) DC1.1@164.932,152.498 ; 164.055,153.2 cw(c163.746,151.915) DC1.1@164.932,152.498 ; 164.055,153.2 cw(c163.746,151.915) DC1.1@164.932,152.498 ; 164.055,153.2 cw(c163.746,151.915) DC1.1@164.932,152.498 ; 164.055,153.2 cw(c163.746,151.915) DC1.1@164.932,152.498 ; 164.073,153.017 ccw(c164.269,153.748) DC1.1@164.647,153.092 ; 164.073,153.017 ccw(c164.269,153.748) DC1.1@164.647,153.092 ; 164.073,153.017 ccw(c164.269,153.748) DC1.1@164.647,153.092 ; 164.073,153.017 ccw(c164.269,153.748) DC1.1@164.647,153.092 ; 164.073,153.017 ccw(c164.269,153.748) DC1.1@164.647,153.092 ; 164.073,153.017 ccw(c164.269,153.748) DC1.1@164.647,153.092 ; 164.103,153.009 cw(c163.86,152.102) DC1.1@164.739,152.431 ; 164.103,153.009 cw(c163.86,152.102) DC1.1@164.739,152.431 ; 164.103,153.009 cw(c163.86,152.102) DC1.1@164.739,152.431 ; 164.103,153.009 cw(c163.86,152.102) DC1.1@164.739,152.431 ; 164.103,153.009 cw(c163.86,152.102) DC1.1@164.739,152.431 ; 164.103,153.009 cw(c163.86,152.102) DC1.1@164.739,152.431 ; 164.155,153.088 cw(c163.644,152.642) DC1.1@164.319,152.58 ; 164.154,153.088 ccw(c164.388,153.293) DC1.1@164.577,153.046 ; 164.154,153.088 ccw(c164.388,153.293) DC1.1@164.577,153.046 ; 164.155,153.088 cw(c163.644,152.642) DC1.1@164.319,152.58 ; 164.154,153.088 ccw(c164.388,153.293) DC1.1@164.577,153.046 ; 164.155,153.088 cw(c163.644,152.642) DC1.1@164.319,152.58 ; 164.154,153.088 ccw(c164.388,153.293) DC1.1@164.577,153.046 ; 164.155,153.088 cw(c163.644,152.642) DC1.1@164.319,152.58 ; DC1.1@164.222,152.774 cw(c164.113,152.368) DC1.1@164.527,152.441 ; DC1.1@164.222,152.774 cw(c164.113,152.368) DC1.1@164.527,152.441 ; DC1.1@164.222,152.774 cw(c164.113,152.368) DC1.1@164.527,152.441 ; DC1.1@164.222,152.774 cw(c164.113,152.368) DC1.1@164.527,152.441 ; DC1.1@164.222,152.774 cw(c164.113,152.368) DC1.1@164.527,152.441 ; DC1.1@164.222,152.774 cw(c164.113,152.368) DC1.1@164.527,152.441 ; DC1.1@164.298,152.924 ccw(c164.52,153.119) DC1.1@164.7,152.884 ; DC1.1@164.298,152.924 ccw(c164.52,153.119) DC1.1@164.7,152.884 ; DC1.1@164.298,152.924 ccw(c164.52,153.119) DC1.1@164.7,152.884 ; DC1.1@164.298,152.924 ccw(c164.52,153.119) DC1.1@164.7,152.884 ; 164.446,153.289 cw(c164.19,152.035) DC1.1@165.28,152.707 ; 164.446,153.289 cw(c164.19,152.035) DC1.1@165.28,152.707 ; 164.446,153.289 cw(c164.19,152.035) DC1.1@165.28,152.707 ; 164.446,153.289 cw(c164.19,152.035) DC1.1@165.28,152.707 ; 164.446,153.289 cw(c164.19,152.035) DC1.1@165.28,152.707 ; DC1.1@164.476,153.098 cw(c164.251,152.163) DC1.1@165.114,152.588 ; DC1.1@164.476,153.098 cw(c164.251,152.163) DC1.1@165.114,152.588 ; DC1.1@164.476,153.098 cw(c164.251,152.163) DC1.1@165.114,152.588 ; DC1.1@164.476,153.098 cw(c164.251,152.163) DC1.1@165.114,152.588 ; DC1.1@164.476,153.098 cw(c164.251,152.163) DC1.1@165.114,152.588 ; DC1.1@164.476,153.098 cw(c164.251,152.163) DC1.1@165.114,152.588 ; 168.927,228.213 cw(c168.927,227.232) R32.1@169.621,227.926 ; 168.927,228.213 ccw(c168.927,229.194) R32.1@169.621,228.5 ; 168.927,228.213 cw(c168.927,227.232) R32.1@169.621,227.926 ; 168.927,228.213 ccw(c168.927,229.194) R32.1@169.621,228.5 ; 168.927,228.213 ccw(c168.927,229.194) R32.1@169.621,228.5 ; 168.927,228.213 cw(c168.927,227.232) R32.1@169.621,227.926 ; 168.927,228.213 ccw(c168.927,229.194) R32.1@169.621,228.5 ; 168.927,228.213 cw(c168.927,227.232) R32.1@169.621,227.926 ; 178.931,149.848 cw(c178.562,150.216) 178.562,149.695 ccw(c178.562,150.216) 178.931,149.848 ; 178.931,149.848 ccw(c179.299,149.479) 178.778,149.479 cw(c179.299,149.479) 178.931,149.848 ; R6.2@243.154,206.275 ccw(c242.46,206.969) 243.442,206.969 ; R6.2@243.154,206.275 ccw(c242.46,206.969) 243.442,206.969 ; R6.2@243.154,206.275 ccw(c242.46,206.969) 243.442,206.969 ; R6.2@243.154,206.275 ccw(c242.46,206.969) 243.442,206.969 ; 243.442,206.85 cw(c244.889,206.85) v1@243.866,207.873 ; 243.442,206.85 cw(c244.889,206.85) v1@243.866,207.873 ; 243.442,206.85 cw(c244.889,206.85) v1@243.866,207.873 ; 243.442,206.85 cw(c244.889,206.85) v1@243.866,207.873 ; 243.442,206.969 ccw(c244.423,206.969) R6.2@243.729,206.275 ; 243.442,206.969 ccw(c244.423,206.969) R6.2@243.729,206.275 ; 243.442,206.969 ccw(c244.423,206.969) R6.2@243.729,206.275 ; 243.442,206.969 ccw(c244.423,206.969) R6.2@243.729,206.275 ; 243.442,207.34 cw(c244.399,207.34) v1@243.722,208.017 ; 243.442,207.34 cw(c244.399,207.34) v1@243.722,208.017 ; 243.442,207.34 cw(c244.399,207.34) v1@243.722,208.017 ; 243.442,207.34 cw(c244.399,207.34) v1@243.722,208.017 ; 243.442,207.755 cw(c243.606,207.59) v1@243.662,207.816 ; 243.442,207.755 ccw(c243.277,207.919) v1@243.503,207.975 ; 243.442,207.755 cw(c243.606,207.59) v1@243.662,207.816 ; 243.442,207.755 ccw(c243.277,207.919) v1@243.503,207.975 ; 243.442,207.755 ccw(c243.277,207.919) v1@243.503,207.975 ; 243.442,207.755 cw(c243.606,207.59) v1@243.662,207.816 ; 243.442,207.755 ccw(c243.277,207.919) v1@243.503,207.975 ; 243.442,207.755 cw(c243.606,207.59) v1@243.662,207.816 ; 243.442,207.831 cw(c243.908,207.831) v1@243.578,208.161 ; 243.442,207.831 cw(c243.908,207.831) v1@243.578,208.161 ; 243.442,207.831 cw(c243.908,207.831) v1@243.578,208.161 ; 243.442,207.831 cw(c243.908,207.831) v1@243.578,208.161 ; 243.478,207.594 cw(c243.893,207.354) v1@243.769,207.817 ; 243.478,207.594 ccw(c243.107,207.808) v1@243.51,207.953 ; 243.478,207.594 cw(c243.893,207.354) v1@243.769,207.817 ; 243.478,207.594 ccw(c243.107,207.808) v1@243.51,207.953 ; 243.478,207.594 cw(c243.893,207.354) v1@243.769,207.817 ; 243.478,207.594 ccw(c243.107,207.808) v1@243.51,207.953 ; 243.478,207.594 ccw(c243.107,207.808) v1@243.51,207.953 ; 243.478,207.594 cw(c243.893,207.354) v1@243.769,207.817 ; 243.478,207.594 ccw(c243.107,207.808) v1@243.51,207.953 ; 243.478,207.594 cw(c243.893,207.354) v1@243.769,207.817 ; 243.478,207.594 ccw(c243.107,207.808) v1@243.51,207.953 ; 243.478,207.594 cw(c243.893,207.354) v1@243.769,207.817 ; v1@243.533,207.907 cw(c243.076,207.603) 243.551,207.329 ; v1@243.533,207.907 cw(c243.076,207.603) 243.551,207.329 ; v1@243.533,207.907 cw(c243.076,207.603) 243.551,207.329 ; v1@243.533,207.907 cw(c243.076,207.603) 243.551,207.329 ; v1@243.533,207.907 cw(c243.076,207.603) 243.551,207.329 ; v1@243.702,208.019 cw(c243.381,207.806) 243.715,207.613 ; v1@243.702,208.019 cw(c243.381,207.806) 243.715,207.613 ; v1@243.702,208.019 cw(c243.381,207.806) 243.715,207.613 ; v1@243.702,208.019 cw(c243.381,207.806) 243.715,207.613 ; v1@243.702,208.019 cw(c243.381,207.806) 243.715,207.613 ; R41.2@247.92,205.701 cw(c248.614,205.007) 248.614,205.988 ; R41.2@247.92,205.701 cw(c248.614,205.007) 248.614,205.988 ; R41.2@247.92,205.701 cw(c248.614,205.007) 248.614,205.988 ; R41.2@247.92,205.701 cw(c248.614,205.007) 248.614,205.988 ; R41.2@247.92,206.275 ccw(c248.614,206.969) 248.614,205.988 ; R41.2@247.92,206.275 ccw(c248.614,206.969) 248.614,205.988 ; R41.2@247.92,206.275 ccw(c248.614,206.969) 248.614,205.988 ; R41.2@247.92,206.275 ccw(c248.614,206.969) 248.614,205.988 ; 248.659,205.988 cw(c248.659,205.467) v1@249.027,205.835 ; 248.659,205.988 ccw(c248.659,206.509) v1@249.027,206.141 ; 248.659,205.988 cw(c248.659,205.467) v1@249.027,205.835 ; 248.659,205.988 ccw(c248.659,206.509) v1@249.027,206.141 ; 248.659,205.988 ccw(c248.659,206.509) v1@249.027,206.141 ; 248.659,205.988 cw(c248.659,205.467) v1@249.027,205.835 ; 248.659,205.988 ccw(c248.659,206.509) v1@249.027,206.141 ; 248.659,205.988 cw(c248.659,205.467) v1@249.027,205.835 ; v1@249.177,205.976 cw(c249.099,205.596) 249.474,205.696 ; v1@249.177,205.976 cw(c249.099,205.596) 249.474,205.696 ; v1@249.177,205.976 cw(c249.099,205.596) 249.474,205.696 ; v1@249.177,205.976 cw(c249.099,205.596) 249.474,205.696 ; v1@249.177,205.976 cw(c249.099,205.596) 249.474,205.696 ; v1@249.177,205.976 cw(c249.099,205.596) 249.474,205.696 ; v1@249.18,205.772 cw(c249.18,205.252) 249.548,205.62 ; v1@249.18,205.772 cw(c249.18,205.252) 249.548,205.62 ; v1@249.18,205.772 cw(c249.18,205.252) 249.548,205.62 ; v1@249.18,205.772 cw(c249.18,205.252) 249.548,205.62 ; v1@249.192,205.991 ccw(c249.572,206.069) 249.472,205.694 ; v1@249.192,205.991 ccw(c249.572,206.069) 249.472,205.694 ; v1@249.192,205.991 ccw(c249.572,206.069) 249.472,205.694 ; v1@249.192,205.991 ccw(c249.572,206.069) 249.472,205.694 ; v1@249.192,205.991 ccw(c249.572,206.069) 249.472,205.694 ; v1@249.192,205.991 ccw(c249.572,206.069) 249.472,205.694 ; v1@249.396,205.988 ccw(c249.916,205.988) 249.548,205.62 ; v1@249.396,205.988 ccw(c249.916,205.988) 249.548,205.62 ; v1@249.396,205.988 ccw(c249.916,205.988) 249.548,205.62 ; v1@249.396,205.988 ccw(c249.916,205.988) 249.548,205.62
  Bottom Layer w0.203: DC1.1@164.977,151.758 170.06,151.758 172.339,149.479 v1(178.562,149.479) ; v1(243.713,208.026) 248.285,208.026 249.18,207.131 v1(249.18,205.988) ; DC1.1@165.3,151.435 cw(c166.081,150.655) 166.081,151.758 ; DC1.1@165.3,151.435 cw(c166.081,150.655) 166.081,151.758 ; DC1.1@165.3,151.435 cw(c166.081,150.655) 166.081,151.758 ; DC1.1@165.3,151.435 cw(c166.081,150.655) 166.081,151.758 ; DC1.1@165.3,152.082 ccw(c166.081,152.862) 166.081,151.758 ; DC1.1@165.3,152.082 ccw(c166.081,152.862) 166.081,151.758 ; DC1.1@165.3,152.082 ccw(c166.081,152.862) 166.081,151.758 ; DC1.1@165.3,152.082 ccw(c166.081,152.862) 166.081,151.758 ; DC1.1@165.444,151.291 cw(c166.571,150.164) 166.571,151.758 ; DC1.1@165.444,151.291 cw(c166.571,150.164) 166.571,151.758 ; DC1.1@165.444,151.291 cw(c166.571,150.164) 166.571,151.758 ; DC1.1@165.444,151.291 cw(c166.571,150.164) 166.571,151.758 ; DC1.1@165.444,152.225 ccw(c166.571,153.353) 166.571,151.758 ; DC1.1@165.444,152.225 ccw(c166.571,153.353) 166.571,151.758 ; DC1.1@165.444,152.225 ccw(c166.571,153.353) 166.571,151.758 ; DC1.1@165.444,152.225 ccw(c166.571,153.353) 166.571,151.758 ; v1@243.866,207.873 cw(c244.234,207.505) 244.234,208.026 ; v1@243.866,207.873 cw(c244.234,207.505) 244.234,208.026 ; v1@243.866,207.873 cw(c244.234,207.505) 244.234,208.026 ; v1@243.866,207.873 cw(c244.234,207.505) 244.234,208.026 ; v1@243.866,208.179 ccw(c244.234,208.547) 244.234,208.026 ; v1@243.866,208.179 ccw(c244.234,208.547) 244.234,208.026 ; v1@243.866,208.179 ccw(c244.234,208.547) 244.234,208.026 ; v1@243.866,208.179 ccw(c244.234,208.547) 244.234,208.026 ; v1@249.027,206.141 ccw(c248.659,206.509) 249.18,206.509 ; v1@249.027,206.141 ccw(c248.659,206.509) 249.18,206.509 ; v1@249.027,206.141 ccw(c248.659,206.509) 249.18,206.509 ; v1@249.027,206.141 ccw(c248.659,206.509) 249.18,206.509 ; 249.18,206.509 ccw(c249.701,206.509) v1@249.333,206.141 ; 249.18,206.509 ccw(c249.701,206.509) v1@249.333,206.141 ; 249.18,206.509 ccw(c249.701,206.509) v1@249.333,206.141 ; 249.18,206.509 ccw(c249.701,206.509) v1@249.333,206.141
pads on no net: CP1.1 CP1.2 CP1.9 CP1.10 CP1.11 CP1.12 CP1.13 CP1.14 CP1.15 CP1.16 CP1.17 CP1.18 CP1.19 CP1.20 CP1.21 CP1.22 CP1.23 CP1.24 CP1.27 CP1.28 CP2.1 CP2.2 CP2.9 CP2.10 CP2.11 CP2.12 CP2.13 CP2.14 CP2.15 CP2.16 CP2.17 CP2.18 CP2.19 CP2.20 CP2.21 CP2.22 CP2.23 CP2.24 CP2.27 CP2.28 LCD.20 LCD.21 LCD.22 LCD.23 LCD.24 LCD.25 LCD.26 LCD.27 LCD.28 RJ1.0 RJ1.3 RJ1.4 RJ1.5 RJ1.6 RJ1.13 RJ1.14 TF.9 U3.1 U3.2 U3.7 U3.54 U3.55 U3.56 U3.57 U3.59 U3.87 U3.89 U3.90 U3.93 U3.96 U3.97 U3.98 U4.3 U4.8 U4.9 U4.10 U4.11 U4.12 U4.33 U4.43 U4.44 U4.45 U6.2 U6.9 U6.10 U6.11 U6.12 U6.13 U6.14 U7.4
copper on no net:
  other v3: 183.391,148.093 191.391,148.093

## Polygon pours and split planes (outlines as drawn)
GND on Bottom Layer "Top Layer-No Net" (solid, remove dead copper, pour order 2): 151.384,244.475 250.503,244.475 250.503,144.594 250.571,144.526 151.384,144.526
GND on Top Layer "Top Layer-No Net" (solid, remove dead copper, pour order 4): 151.257,244.602 250.571,244.602 250.571,144.526 151.257,144.526

## Keep-outs
Keep-Out Layer:
  the board outline again, w0.3

## Silkscreen, mask and mechanical layers (free items; w line width, h text height)
Top Overlay:
  lines w0.115: 215.265,225.171 216.535,225.171
  lines w0.15: 215.265,225.171 215.265,223.774 215.265,220.472 217.614,218.123 ; 216.154,224.79 216.535,225.171 216.154,225.552
  text "VCC" at 219.456,226.822 h1.1
  text "GND" at 224.917,226.822 h1.1
  text "GND" at 224.282,206.629 h1.1 r90
  text "TCK" at 226.949,206.629 h1.1 r90
  text "TMS" at 229.743,206.629 h1.1 r90
  text "VCC" at 232.029,206.629 h1.1 r90
  text "VCC" at 207.01,201.168 h1.1
  text "GND" at 200.152,201.041 h1.1
  text "GND" at 203.581,198.501 h1.1
  text "INT" at 152.527,189.738 h1.1
  text "ADC" at 152.4,183.769 h1.1
  text "PWM" at 152.4,181.102 h1.1
  text "GND" at 152.4,178.435 h1.1
  text "STM32F207" at 151.892,170.307 h2
  text "GD32F207" at 151.892,167.259 h2
  text "GND" at 209.169,162.687 h1.1
  text "VCC" at 201.93,162.56 h1.1
  text "GND" at 205.74,160.274 h1.1

## Dimensions
151.384,144.526 to 151.384,244.475 on Mechanical 1
151.384,144.526 to 250.571,144.526 on Mechanical 1

## Text inside footprints (layer, text, board x,y; h text height)
U6: Top Overlay "ESP8266" at 199.39,227.203 h1.1